# Altium PCB EVB-ANNA-B5x1_Certifi.PcbDoc (part 3 of 6) (continued)
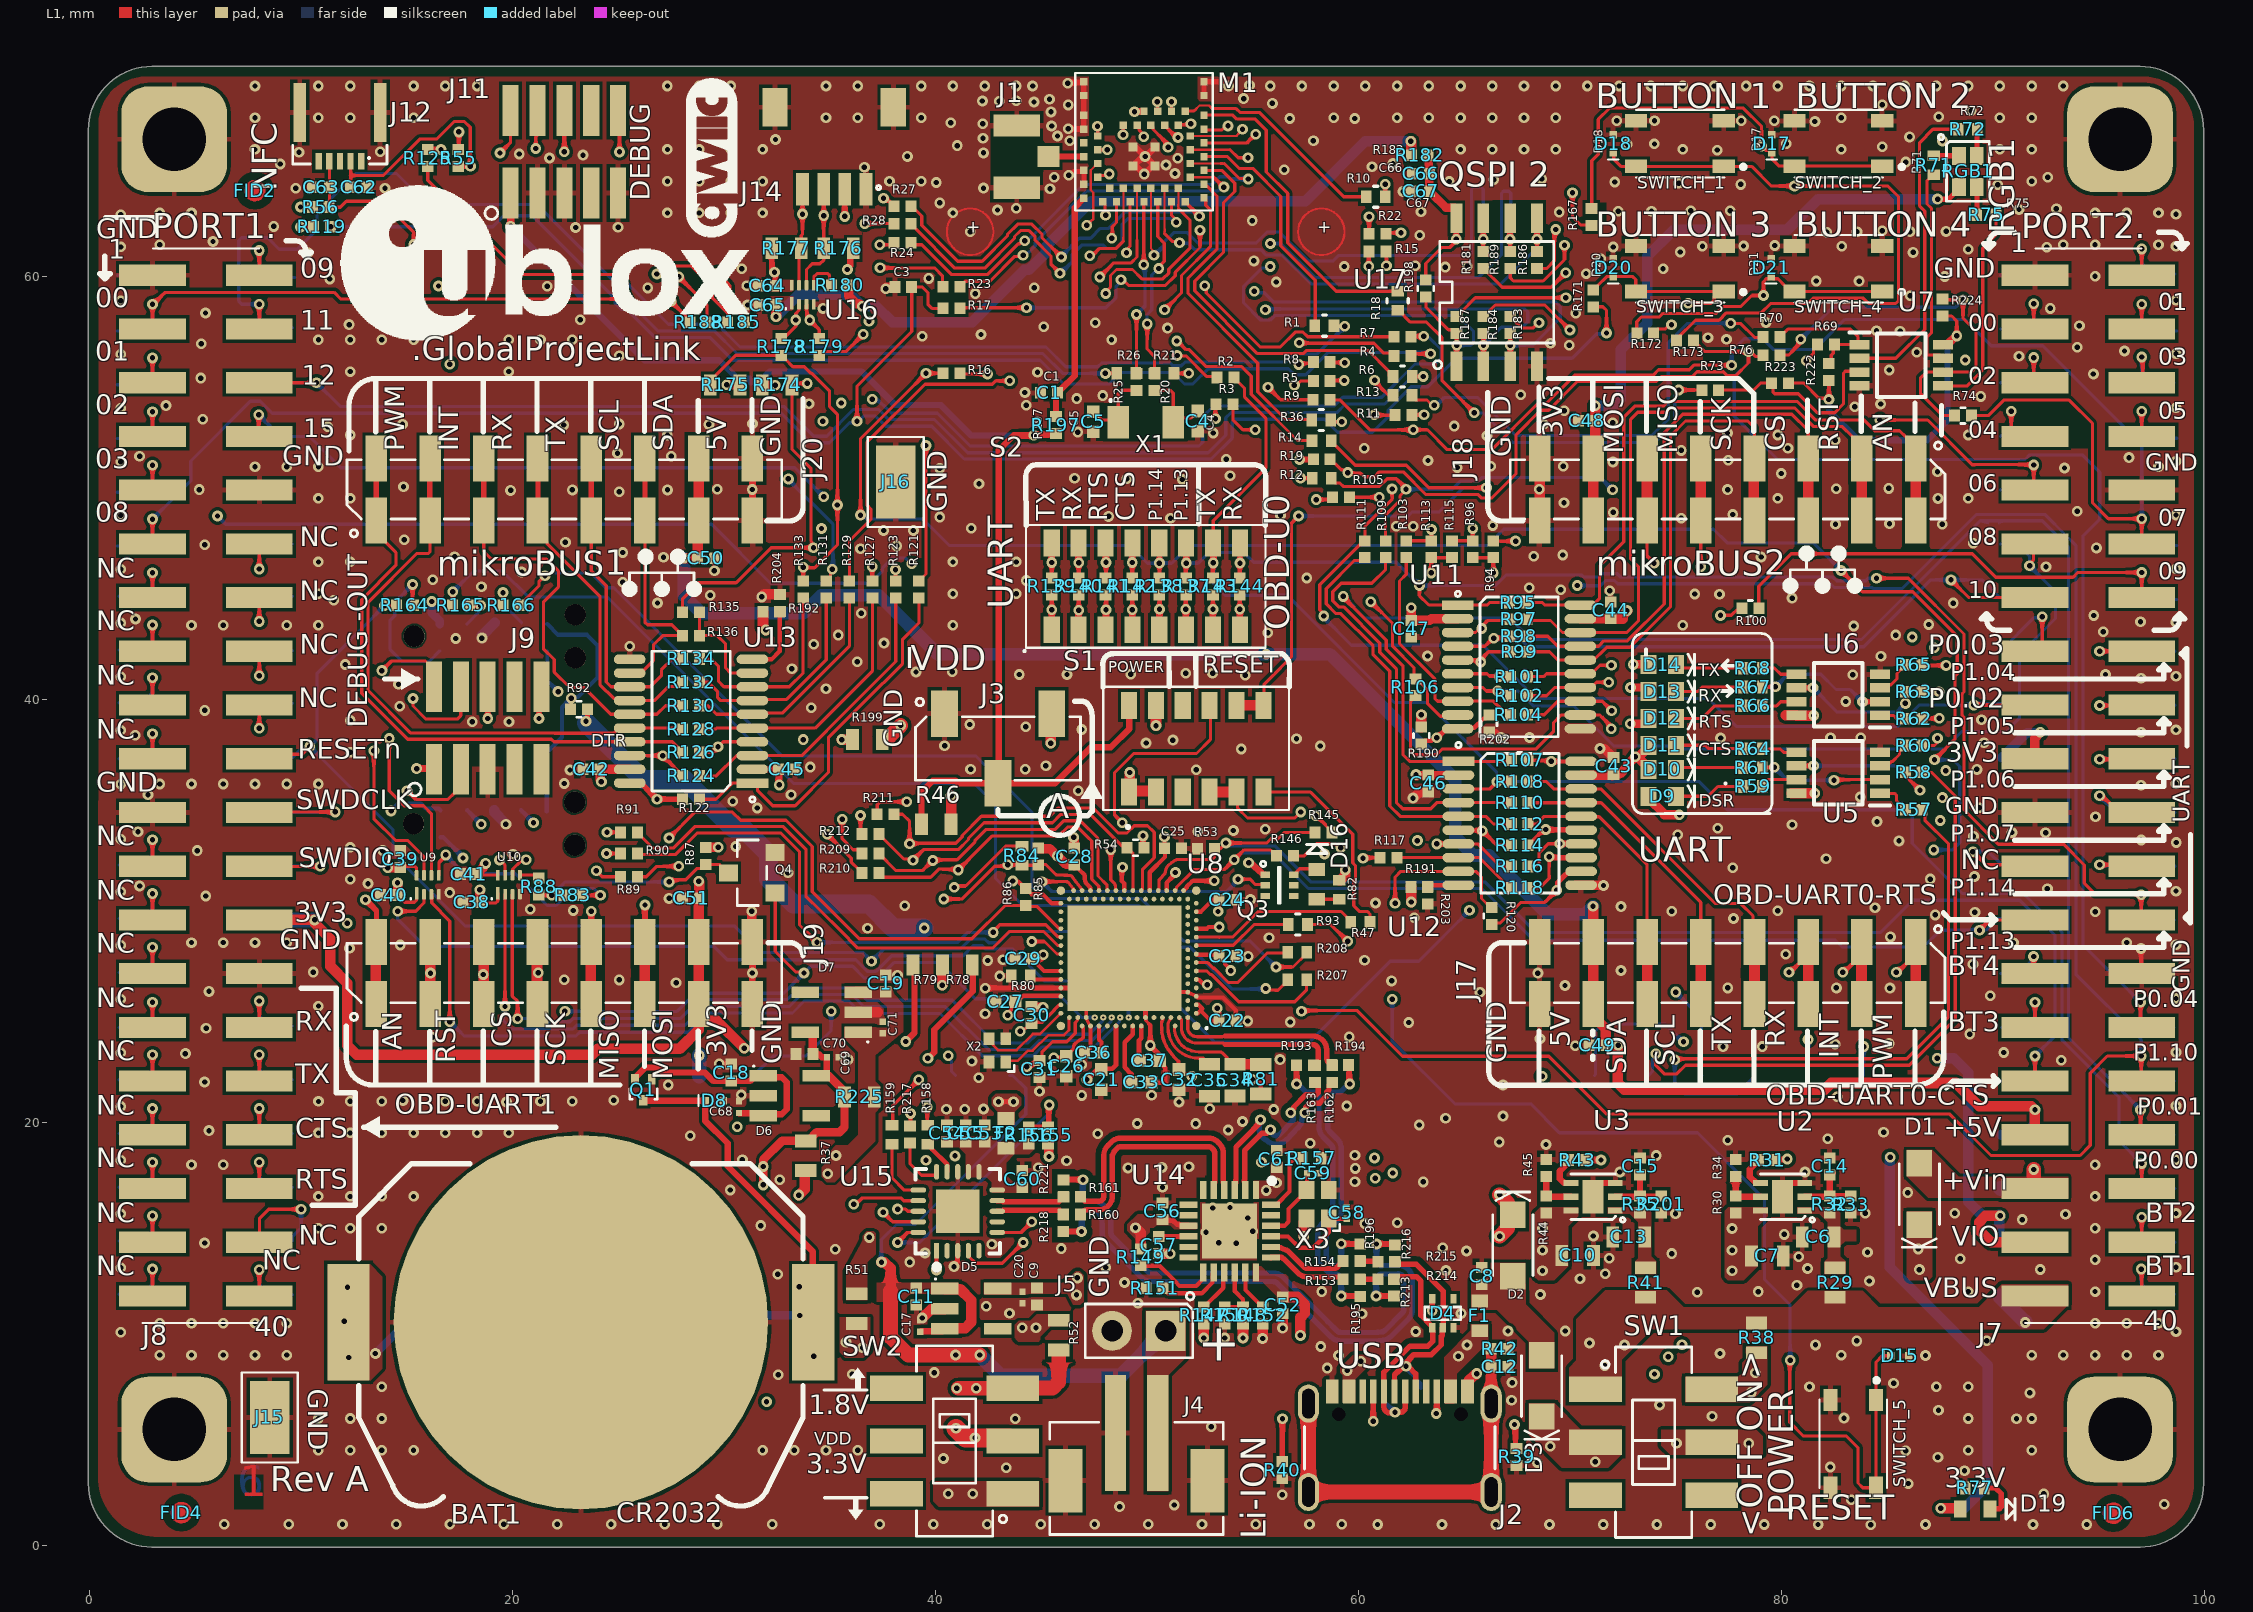
[diagram p0: L1 view]
## Nets (pads, with @x,y where several pads share a name; then routed paths per layer and width w, separated by ;. In a path a pad name is that pad's centre, name@x,y a point inside that pad or via, vN(x,y) a via of type N, cw(c..) or ccw(c..) an arc to the next point about the centre after c; other vN are vias at no path point) (continued)
  other v2: 29.679,1.012 60.894,1.007 63.942,1.007 66.482,1.007 69.022,1.007 71.562,1.007 74.102,1.007 76.642,1.007 79.182,1.007 81.722,1.007 84.206,1 86.802,1.007 91.882,1.007 94.422,1.007 6.367,1.019 9.415,1.019 11.955,1.019 14.495,1.019 17.035,1.019 19.575,1.019 22.115,1.019 24.655,1.019 27.195,1.019 32.275,1.019 37.355,1.019 39.895,1.019 42.435,1.019 44.975,1.019 47.515,1.019 50.055,1.019 52.595,1.019 55.135,1.019 57.675,1.019 59.199,1.019 83.289,2.178 56.389,2.41 85.99,2.941 68.443,3.936 10.818,4.517 12.318,4.517 13.818,4.517 15.318,4.517 31.818,4.517 33.318,4.517 34.818,4.517 36.318,4.517 88.818,4.517 91.818,4.517 10.818,6.017 12.318,6.017 13.818,6.017 88.818,6.017 91.818,6.017 13.818,7.517 81.318,7.517 87.318,7.517 88.818,7.517 3.318,9.017 4.818,9.017 6.318,9.017 7.818,9.017 9.318,9.017 82.818,9.017 91.818,9.017 93.318,9.017 94.818,9.017 96.318,9.017 97.818,9.017 1.47,10.101 98.645,10.126 3.318,10.517 4.818,10.517 6.318,10.517 7.818,10.517 9.318,10.517 94.818,10.517 96.318,10.517 97.818,10.517 88.818,12.017 94.818,12.017 1.47,13.149 98.645,13.174 94.818,13.517 54.215,14.3 53.38,14.327 52.778,14.825 54.988,14.876 10.818,15.017 12.318,15.017 13.818,15.017 94.818,15.017 54.759,15.5 1.47,15.689 98.645,15.714 53.108,15.968 53.921,15.994 10.818,16.517 12.318,16.517 13.818,16.517 15.318,16.517 94.818,16.517 4.818,18.017 6.318,18.017 94.818,18.017 1.47,18.229 98.645,18.254 10.818,19.517 12.318,19.517 13.818,19.517 15.318,19.517 16.818,19.517 18.318,19.517 19.818,19.517 1.47,20.769 98.645,20.794 10.82,21.008 12.318,21.017 13.818,21.017 16.818,21.017 18.318,21.017 21.318,21.017 22.818,21.017 1.47,23.309 98.645,23.334 10.818,25.517 1.47,25.849 98.645,25.874 1.47,28.389 98.645,28.414 4.818,28.517 6.318,28.517 7.818,28.517 9.318,28.517 96.318,28.517 94.82,29.981 79.818,30.017 1.47,30.929 98.645,30.954 12.318,31.517 12.318,33.017 98.65,33.249 1.477,33.413 94.84,34.469 1.47,36.009 3.318,36.017 4.818,36.017 6.318,36.017 7.818,36.017 9.318,36.017 10.818,36.017 98.645,36.034 12.318,37.517 1.47,38.549 98.645,38.574 12.318,39.017 34.818,40.517 1.47,41.089 98.645,41.114 4.818,43.517 6.318,43.517 9.318,43.517 10.818,43.517 40.818,43.517 75.318,43.517 1.47,43.629 98.645,43.654 10.818,45.017 40.818,45.017 43.818,45.017 1.47,46.169 98.645,46.194 10.818,46.517 12.318,46.517 40.818,46.517 43.818,46.517 1.47,48.709 98.645,48.734 10.818,49.517 12.318,49.517 79.818,49.517 88.818,49.517 7.818,51.017 9.318,51.017 10.818,51.017 97.818,51.017 1.47,51.249 98.645,51.274 12.318,52.517 27.318,52.517 79.818,52.517 88.818,52.517 1.47,53.789 98.645,53.814 12.318,55.517 19.818,55.517 1.47,56.329 98.645,56.354 69.071,56.849 10.818,57.017 12.318,57.017 13.818,57.017 15.318,57.017 19.818,57.017 21.318,57.017 22.818,57.017 48.318,57.017 77.391,57.037 76.519,57.125 70.263,58.272 1.47,58.869 98.645,58.894 94.818,60.017 70.752,60.149 74.393,60.374 71.454,60.85 1.47,61.409 72.037,61.404 76.253,61.435 98.645,61.434 78.198,61.452 3.318,61.517 12.318,61.517 13.818,61.517 93.318,61.517 94.818,61.517 97.818,61.517 1.47,62.933 98.645,62.958 3.318,63.017 4.818,63.017 15.318,63.017 27.318,63.017 28.818,63.017 30.318,63.017 31.818,63.017 40.818,63.017 94.818,63.017 96.318,63.017 97.818,63.017 72.269,63.091 73.844,63.096 75.707,63.118 27.318,64.517 28.818,64.517 30.318,64.517 31.818,64.517 37.818,64.517 39.318,64.517 91.818,64.517 76.96,65.989 7.818,66.017 27.318,66.017 28.818,66.017 30.318,66.017 31.818,66.017 64.818,66.017 66.318,66.017 67.818,66.017 69.318,66.017 75.318,66.017 82.818,66.017 90.318,66.017 91.818,66.017 72.699,66.259 73.984,66.279 73.986,67.369 78.088,67.369 7.818,67.517 10.818,67.517 12.318,67.517 15.318,67.517 34.818,67.517 36.318,67.517 39.318,67.517 58.818,67.517 61.818,67.517 63.318,67.517 64.818,67.517 66.318,67.517 67.818,67.517 69.318,67.517 82.818,67.517 90.318,67.517 91.818,67.517 7.818,69.017 10.818,69.017 12.318,69.017 15.318,69.017 16.818,69.017 18.318,69.017 27.318,69.017 28.818,69.017 30.318,69.017 34.818,69.017 36.318,69.017 39.318,69.017 40.818,69.017 42.318,69.017 43.818,69.017 55.818,69.017 57.318,69.017 58.818,69.017 60.318,69.017 61.818,69.017 63.318,69.017 64.818,69.017 66.318,69.017 67.818,69.017 69.318,69.017 70.818,69.017 72.318,69.017 73.818,69.017 75.318,69.017 76.818,69.017 78.318,69.017 79.818,69.017 81.318,69.017 82.818,69.017 84.318,69.017 85.818,69.017 87.318,69.017 88.818,69.017 90.318,69.017 91.818,69.017 93.318,69.017
GREEN: R72.1 U7.2 | length 14.7
  L1 w0.15: U7.2@83.679,56.142 85.399,56.142 86.763,57.506 86.763,63.096 86.52,63.339 86.52,66.34 87.152,66.972 R72.1@88.348,66.972
HUB_n: R153.1 U14.19 | length 3.8
  L1 w0.255: U14.19@55.846,13.626 55.868,13.649 56.27,13.649 cw(c56.27,13.394) 56.449,13.575 57.126,12.898 ccw(c57.591,13.366) 57.591,12.706 59.134,12.706 R153.1@59.267,12.597
HUB_p: R154.1 U14.20 | length 3.9
  L1 w0.255: U14.20@55.846,14.126 55.868,14.104 56.22,14.104 cw(c56.22,13.849) 56.313,14.086 56.512,14.008 cw(c56.27,13.394) 56.735,13.862 57.411,13.186 ccw(c57.591,13.366) 57.591,13.111 58.809,13.111 ccw(c58.807,13.366) 58.902,13.129 cw(c59.007,12.872) 58.915,13.134 ccw(c58.829,13.374) 59.008,13.193 59.267,13.452 R154.1@59.267,13.467
IO_10: M1.10 R2.2 | length 16
  L1 w0.15: M1.10@47.657,66.653 v1@47.657,67.11 ; v1(51.417,56.276) 51.436,56.256 51.837,56.256 52.803,55.29 53.25,55.29 R2.2@53.307,55.233
  L1 w0.25: v1(47.655,67.113) v1@47.657,67.11
  L3 w0.15: v1(47.655,67.113) 47.655,66.215 47.62,66.18 47.62,65.804 47.761,65.664 47.761,65.151 47.713,65.103 47.713,64.654 47.921,64.446 47.921,63.488 47.551,63.118 47.551,62.696 47.656,62.591 47.656,62.264 47.531,62.139 47.531,61.435 48.239,60.728 48.239,59.691 49.215,58.716 49.755,58.716 50.483,57.988 50.483,57.172 51.379,56.276 v1(51.417,56.276)
IO_11: M1.11 R11.1 | length 21.7
  L1 w0.15: M1.11@47.66,66.003 v1(48.11,66.003) ; v1(60.74,53.469) 60.757,53.452 R11.1@61.708,53.452
  L3 w0.15: v1(48.11,66.003) 48.159,65.954 48.159,65.612 48.7,65.071 48.7,63.675 48.864,63.512 48.864,63.128 49.881,62.111 50.338,62.111 51.35,61.099 52.138,61.099 52.854,60.383 53.068,60.383 54.26,59.191 54.26,58.982 54.738,58.504 54.79,58.504 55.764,57.53 55.764,57.473 56.876,56.361 57.373,56.361 57.381,56.353 59.014,56.353 59.094,56.434 59.54,56.434 60.26,55.713 60.26,54.894 60.74,54.414 v1(60.74,53.469)
IO_13: M1.13 R5.2 | length 18.3
  L1 w0.15: M1.13@47.66,64.703 47.76,64.803 47.76,64.79 48.138,64.79 v1(48.207,64.859) ; v1(56.963,54.876) 57.06,54.876 57.254,55.071 R5.2@57.856,55.071
  L3 w0.15: v1(48.207,64.859) 48.239,64.827 48.239,63.405 48.53,63.113 48.53,62.587 48.3,62.357 48.181,62.357 47.84,62.016 47.84,61.623 48.594,60.869 48.594,60.706 49.718,59.582 50.385,59.582 51.317,58.649 51.317,57.955 55.004,54.268 55.895,54.268 56.504,54.876 v1(56.963,54.876)
IO_14: M1.14 R7.2 | length 18.2
  L1 w0.15: M1.14@47.9,63.54 48,63.44 48,63.314 48.006,63.308 48.006,62.925 v1@48.035,62.897 ; v1(52.727,59.579) 52.795,59.51 52.795,59.228 55.344,56.68 56.3,56.68 57,57.38 57.371,57.38 57.588,57.163 R7.2@61.667,57.163
  L4 w0.15: v1@48.035,62.885 48.035,62.818 49.347,61.506 50.626,61.506 50.825,61.307 50.825,60.822 51.053,60.594 51.053,59.811 51.285,59.579 v1(52.727,59.579)
  other v1: 48.035,62.91
IO_15: M1.15 R8.2 | length 14
  L1 w0.15: v1(48.327,61.822) 48.353,61.848 48.353,62.367 48.55,62.564 M1.15@48.55,63.54 ; v1(57.172,55.853) 57.221,55.903 57.816,55.903 R8.2@57.885,55.972
  L3 w0.15: v1(48.327,61.822) 48.526,61.623 50.4,61.623 51.288,60.735 52.043,60.735 52.699,60.078 52.92,60.078 53.939,59.059 53.939,58.821 56.907,55.853 v1(57.172,55.853)
IO_16: M1.16 R9.2 | length 14.9
  L1 w0.1: M1.16@49.188,63.528 M1.16@49.2,63.54
  L1 w0.15: v1(49.025,61.135) 49.093,61.204 49.093,61.345 49.188,61.44 M1.16@49.188,63.528 ; v1(55.715,54.774) 56.307,54.182 R9.2@57.847,54.182
  L3 w0.15: v1(49.025,61.135) 49.025,60.702 49.829,59.898 50.532,59.898 51.643,58.787 51.643,58.071 54.94,54.774 v1(55.715,54.774)
IO_17: M1.17 R25.2 R26.2 | length 8.3
  L1 w0.15: R25.2@49.495,55.429 49.495,58.209 v1(49.498,58.212) ; v1(49.845,60.56) 49.838,60.568 49.838,63.528 M1.17@49.85,63.54
  L6 w0.15: v1(49.498,58.212) 49.902,58.616 49.902,60.504 v1(49.845,60.56)
IO_18: M1.18 R20.2 R21.2 | length 8.7
  L1 w0.15: v1(50,57.769) 50,56.585 50.342,56.243 50.342,55.435 50.344,55.433 R21.2@50.371,55.433 ; M1.18@50.5,63.54 50.5,61.9 50.809,61.591 50.809,60.724 50.547,60.461 v1@50.547,60.392
  L6 w0.15: v1(50,57.769) 50,58.215 50.22,58.435 50.22,60.081 50.53,60.392 v1(50.545,60.392) v1@50.547,60.392
IO_19: M1.19 R28.1 | length 18.4
  L1 w0.15: R28.1@38.843,62.501 39.028,62.316 39.028,62.285 40.903,60.41 42.324,60.41 43.73,61.816 43.73,61.9 44.01,62.18 44.42,62.18 44.704,61.896 44.704,61.726 45.456,60.974 45.456,60.59 v1(45.88,60.166) ; M1.19@51.15,63.54 51.15,62.898 51.378,62.67 v1(51.378,62.573)
  L6 w0.15: v1(45.88,60.166) 45.912,60.166 46.44,60.694 46.44,61.022 46.924,61.506 47.252,61.506 47.907,61.506 48.073,61.341 48.535,61.341 48.82,61.626 48.82,62.487 49.08,62.747 51.107,62.747 51.281,62.573 v1(51.378,62.573)
IO_20: M1.20 R27.1 | length 18.4
  L1 w0.15: R27.1@38.843,63.339 38.876,63.339 39.346,62.869 39.346,62.429 41.045,60.73 42.199,60.73 43.4,61.931 43.4,62.005 43.885,62.49 44.55,62.49 45.029,62.011 45.029,61.849 v1(45.948,60.93) ; M1.20@51.8,63.54 52.471,62.869 v1(52.471,62.86)
  L6 w0.15: v1(45.948,60.93) 45.948,60.972 46.798,61.822 47.33,61.822 47.791,62.284 48.176,62.284 48.949,63.056 52.179,63.056 52.374,62.86 v1(52.471,62.86)
IO_26: M1.26 R3.2 | length 17.5
  L1 w0.1: 51.475,63.229 M1.26@51.475,64.19
  L1 w0.15: v1@48.064,59.207 48.064,59.304 48.267,59.507 48.267,60.056 48.553,60.341 49.306,60.341 49.752,59.896 50.744,59.896 51.021,60.173 ; 51.024,60.173 51.024,60.354 52.02,61.349 52.02,62.684 51.475,63.229 ; v1(53.23,53.284) 53.23,53.982 R3.2@53.233,53.985
  L3 w0.15: v1(48.045,59.207) 49.007,58.245 49.007,57.988 51.482,55.513 51.482,55.236 53.162,53.556 53.162,53.353 v1(53.23,53.284)
IO_27: M1.27 R16.2 | length 18.4
  L1 w0.15: R16.2@41.273,55.406 v1(42.456,55.406) ; v1(50.825,58.434) 51.625,59.234 51.625,60.06 52.99,61.425 52.99,63.162 52.772,63.38 52.772,63.646 M1.27@52.69,63.728
  L4 w0.15: v1(42.456,55.406) 42.456,55.967 45.51,59.021 47.551,59.021 47.872,58.7 48.238,58.7 48.59,59.052 50.503,59.052 50.757,58.798 50.757,58.502 v1(50.825,58.434)
IO_28: M1.28 R36.1 | length 15.1
  L1 w0.15: M1.28@52.69,64.378 52.79,64.278 52.839,64.278 53.299,63.818 53.299,61.296 52.471,60.468 51.932,59.929 51.932,59.214 55.214,55.933 55.23,55.917 55.23,54.565 56.546,53.249 57.746,53.249 R36.1@57.773,53.223
IO_29: M1.29 R6.2 | length 18.7
  L1 w0.15: M1.29@52.69,65.028 53.529,65.028 54.14,64.417 54.14,64.028 53.611,63.499 53.611,61.155 52.247,59.791 52.247,59.365 52.247,59.328 55.21,56.365 56.952,56.365 57.386,56.365 57.54,56.519 60.441,56.519 61.45,55.51 61.45,55.309 R6.2@61.475,55.284
IO_30: M1.30 R1.2 | length 11.2
  L1 w0.15: M1.30@52.69,65.678 52.701,65.689 53.776,65.689 54.341,65.124 54.991,65.124 56.32,63.796 56.32,61.464 57.945,59.839 R1.2@57.945,57.727
IO_31: M1.31 R13.1 | length 18.4
  L1 w0.15: M1.31@52.69,66.328 54.72,66.328 v1(55.134,66.742) ; v1(60.753,55.106) 60.753,55.046 R13.1@61.433,54.366
  L3 w0.15: v1(55.134,66.742) 55.647,66.742 60.12,62.268 60.12,60.851 59.96,60.691 59.96,60.276 60.241,59.994 60.573,59.994 60.97,59.597 60.97,55.323 v1(60.753,55.106)
IO_32: M1.32 R19.1 | length 21.8
  L1 w0.15: M1.32@52.69,66.978 52.727,66.941 53.537,66.941 53.726,67.13 v1(53.823,67.13)
  L1 w0.25: v1(57.206,51.362) 57.825,51.362 R19.1@57.859,51.396
  L4 w0.15: v1(53.823,67.13) 53.823,64.747 54.14,64.43 54.14,63.944 53.781,63.585 53.781,59.481 53.052,58.752 52.681,58.752 52.443,58.514 52.443,57.607 54.502,55.548 54.502,52.632 56.07,51.065 56.895,51.065 57.192,51.362 v1(57.206,51.362)
IO_33: M1.33 R18.2 | length 15.1
  L1 w0.15: M1.33@52.69,67.628 52.702,67.64 54.055,67.64 54.242,67.453 55.11,67.453 55.632,66.931 55.632,64.953 56.645,63.941 56.645,61.601 58.936,59.31 61.843,59.31 R18.2@61.846,59.307
IO_36: M1.36 R23.2 | length 16.3
  L1 w0.1: M1.36@52.04,64.703 53.148,64.703
  L1 w0.15: R23.2@41.146,59.526 41.146,59.541 41.394,59.789 42.571,59.789 43.744,60.962 44.079,60.962 v1(44.136,61.019) ; 53.148,64.703 53.615,64.237 v1(53.63,64.237)
  L6 w0.15: v1(44.136,61.019) 44.233,61.019 44.384,61.17 44.425,61.17 44.714,61.459 44.714,61.621 47.151,64.058 53.355,64.058 53.533,64.237 v1(53.63,64.237)
IO_37: M1.37 R24.2 | length 21.6
  L1 w0.1: M1.37@52.04,65.353 53.653,65.353
  L1 w0.15: R24.2@38.843,61.602 38.936,61.509 39.346,61.509 40.757,60.098 42.448,60.098 43.911,61.561 43.984,61.561 44.119,61.696 v1(44.216,61.696) ; 53.653,65.353 54.36,64.646 54.753,64.646 v1(54.777,64.622)
  L6 w0.15: v1(44.216,61.696) 44.313,61.696 44.472,61.856 44.496,61.856 47.008,64.368 53.072,64.368 53.428,64.725 53.833,64.725 53.935,64.622 v1(54.777,64.622)
IO_40: M1.40 R10.2 | length 10.5
  L1 w0.1: 52.213,67.832 52.484,68.102 52.918,68.102 53.07,67.95
  L1 w0.15: M1.40@51.8,67.815 51.817,67.832 52.213,67.832 ; 53.07,67.95 54.208,67.95 54.388,67.77 55.3,67.77 59.289,63.781 R10.2@60.364,63.781
IO_47: M1.47 R12.1 | length 22.3
  L1 w0.15: M1.47@51.475,67.165 51.503,67.192 52.042,67.192 v1@52.07,67.22 ; v1(57.25,50.478) 57.8,50.478 R12.1@57.807,50.471
  L4 w0.15: v1@52.07,67.22 53.497,65.793 53.497,64.797 53.12,64.42 53.12,64.017 53.454,63.683 53.454,59.602 52.934,59.082 52.502,59.082 52.12,58.7 52.12,57.473 54.202,55.391 54.202,52.489 55.935,50.756 56.939,50.756 57.217,50.478 v1(57.25,50.478)
  other v1: 52.07,67.233
IO_48: M1.48 R4.2 | length 18.2
  L1 w0.15: M1.48@50.825,67.165 50.925,67.065 50.925,67.039 51.287,66.677 51.413,66.677 v1@51.482,66.609 ; v1(57.192,56.881) 57.217,56.856 60.723,56.856 61.189,56.39 61.53,56.39 R4.2@61.667,56.253
  L3 w0.15: v1(51.46,66.585) 51.972,66.585 54.126,64.431 54.126,63.711 54.425,63.412 54.425,60.64 55.552,59.513 55.552,59.172 56.08,58.644 56.08,57.599 56.798,56.881 v1(57.192,56.881)
IO_51: M1.51 R17.2 | length 21.9
  L1 w0.15: R17.2@41.146,58.504 41.172,58.53 v1(44.296,58.53) ; v1@48.778,59.858 48.848,59.858 49.123,59.583 50.863,59.583 51.325,60.045 51.325,60.207 52.5,61.382 v1(52.5,62.193) ; v1(48.864,66.718) 48.869,66.724 48.869,67.159 M1.51@48.875,67.165
  L3 w0.15: v1(48.864,66.718) 48.603,66.458 48.603,65.622 49.025,65.2 49.025,63.87 50.804,62.09 51.769,62.09 51.873,62.193 v1(52.5,62.193)
  L6 w0.15: v1(44.296,58.53) 48.052,58.53 48.535,59.013 48.535,59.547 48.763,59.775 v1(48.763,59.858)
m1-CS: R117.1 R118.2 U12.8 | length 6
  L1 w0.15: R117.1@61.819,32.528 61.819,32.534 U12.8@64.718,32.534 65.713,32.534 66.935,31.312 67.033,31.312 67.218,31.127 R118.2@67.218,31.112
m1-INT: R127.1 R128.2 U13.5 | length 12.8
  L1 w0.15: R128.2@28.836,38.612 29.593,38.612 29.642,38.661 U13.5@31.336,38.661 34.299,38.661 37.018,41.379 R127.1@37.018,44.805
m1-MISO: R121.1 R122.2 U13.1 | length 17.7
  L1 w0.15: R122.2@28.836,35.296 29.616,35.296 30.381,36.061 31.432,36.061 31.582,35.911 31.582,35.698 32.296,34.984 33.355,34.984 34.93,36.559 34.93,38.2 35.542,38.812 35.542,38.815 36.603,39.876 36.606,39.876 38.438,41.708 38.438,42.862 39.206,43.63 R121.1@39.206,44.805
m1-MOSI: R123.1 R124.2 U13.3 | length 14.5
  L1 w0.15: R124.2@28.836,36.401 29.624,36.401 30.583,37.361 U13.3@31.336,37.361 33.666,37.361 34.848,38.542 34.848,38.545 36.479,40.176 36.481,40.176 38.112,41.807 R123.1@38.112,44.805
m1-nRESET: R113.1 R115.1 R116.2 U12.7 | length 19
  L1 w0.15: v1(63.431,45.997) R113.1@63.431,46.714 R115.1@64.411,46.714 ; v1(63.696,33.184) U12.7@64.718,33.184 65.633,33.184 66.701,32.116 R116.2@67.218,32.116
  L3 w0.15: v1(63.431,45.997) 63.431,45.9 64.214,45.118 64.214,37.974 63.813,37.573 63.813,33.495 63.764,33.446 63.764,33.253 v1(63.696,33.184)
m1-PWM: R125.1 R126.2 U13.4 | length 38.4
  L1 w0.15: R126.2@28.836,37.507 29.452,37.507 29.956,38.011 U13.4@31.336,38.011
  L1 w0.25: R125.1@15.987,66.009 15.989,66.012 16.609,66.012 v1(16.612,66.015)
  L3 w0.15: v1(16.498,59.561) 16.518,59.581 16.518,62.735 16.612,62.829 v1(16.612,66.015)
  L4 w0.15: v1(16.498,59.561) 16.516,59.543 16.516,55.317 24.675,47.158 24.675,40.579 27.481,37.773 v1(29.713,37.773)
m1-RX: R129.1 R130.2 U13.6 | length 10.9
  L1 w0.15: R130.2@28.836,39.718 29.23,39.718 29.637,39.311 U13.6@31.336,39.311 31.394,39.368 32.755,39.368 35.924,42.536 R129.1@35.924,44.805
m1-SCK: R119.1 R120.2 U12.9 | length 108.8
  L1 w0.15: v1(61.722,30.375) 61.722,31.621 61.985,31.884 U12.9@64.718,31.884 65.543,31.884 65.807,31.619 65.807,30.603 R120.2@66.302,30.108
  L1 w0.25: v1(9.969,62.35) 9.977,62.358 10.578,62.358 R119.1@10.586,62.367
  L3 w0.15: v1(9.969,62.35) 9.934,62.315 9.934,61.75 7.827,59.643 7.827,59.18 7.546,58.899 7.546,58.869 7.078,58.401 7.078,33.849 11.493,29.434 v1(12.186,29.434)
  L4 w0.15: v1(12.186,29.434) 12.236,29.434 15.55,26.12 26.382,26.12 36.935,36.672 36.935,38.454 38.13,39.65 38.358,39.65 38.588,39.42 57.575,39.42 60.04,36.955 60.04,33.37 61.686,31.723 61.686,30.411 v1(61.722,30.375)
m1-SCL: R133.1 R134.2 U13.8 | length 9.7
  L1 w0.15: R134.2@28.836,41.929 29.399,41.929 29.735,41.593 29.735,40.867 29.991,40.611 U13.8@31.336,40.611 33.08,40.611 33.735,41.266 R133.1@33.735,44.805
m1-SDA: R135.1 R136.2 U13.9 | length 5
  L1 w0.15: R135.1@28.836,44.14 R136.2@28.836,43.034 29.681,43.034 30.067,42.648 30.067,41.515 30.321,41.261 U13.9@31.336,41.261
m1-TX: R131.1 R132.2 U13.7 | length 10.2
  L1 w0.15: R132.2@28.836,40.823 29.253,40.823 29.69,40.386 29.69,40.103 29.832,39.961 U13.7@31.336,39.961 31.394,40.018 32.954,40.018 34.83,41.894 R131.1@34.83,44.805
M1_AN: J19.1 R114.1 U12.15 | length 77.2
  L1 w0.15: R114.1@68.018,33.12 68.018,33.135 68.747,33.864 v1(68.843,33.864)
  L1 w0.25: v1(13.046,30.544) 13.568,30.022 13.568,28.558 J19.1@13.535,28.525 ; v1(68.843,33.864) 68.858,33.849 70.522,33.849 U12.15@70.543,33.828
  L1 w0.5: J19.1@13.535,25.348 J19.1@13.535,28.278
  L4 w0.15: v1(13.046,30.544) 16.607,30.544 18.711,28.44 27.005,28.44 35.05,36.485 35.05,38.287 37.613,40.85 38.855,40.85 39.058,40.647 58.201,40.647 61.277,37.57 61.277,33.869 62.731,32.416 65.702,32.416 66.637,33.351 68.33,33.351 v1(68.843,33.864)
M1_CS: J19.3 R118.1 U12.13 | length 72.7
  L1 w0.15: R118.1@68.018,31.112 68.565,31.112 69.013,31.56 69.013,31.677 69.005,31.685 69.005,32.082 69.013,32.09 v1(69.013,32.572)
  L1 w0.25: v1(18.612,27.01) v1@18.636,27.034 ; J19.3@18.636,25.616 v1@18.636,27.034 ; J19.3@18.636,28.546 v1@18.636,27.034 ; v1(69.013,32.572) 69.051,32.534 U12.13@70.518,32.534
  L1 w0.5: J19.3@18.636,25.569 J19.3@18.636,28.499
  L4 w0.15: v1(18.612,27.01) 19.381,27.779 27.192,27.779 36.335,36.921 36.335,38.703 37.882,40.25 38.606,40.25 38.836,40.02 57.919,40.02 57.939,40 57.999,40 60.677,37.322 60.677,33.605 62.466,31.816 65.996,31.816 66.91,32.73 68.758,32.73 68.916,32.572 v1(69.013,32.572)
M1_INT: J20.2 R128.1 U13.16 | length 29.2
  L1 w0.15: J20.2@16.096,48.476 16.096,47 16.008,46.912 15.466,46.912 13.165,44.611 13.165,40.435 15.166,38.434 21.959,38.434 21.977,38.415 24.774,38.415 25.019,38.661 U13.16@25.536,38.661 R128.1@27.987,38.661
  L1 w0.25: J20.2@16.009,52.191 16.009,51.493 J20.2@16.081,51.421 ; J20.2@16.081,48.552 J20.2@16.081,51.421 ; J20.2@16.081,51.482 J20.2@16.081,51.421 ; J20.2@16.096,51.406 J20.2@16.081,51.421 ; R128.1@27.987,38.661 R128.1@28.036,38.612
M1_MISO: J19.5 R122.1 U13.20 | length 14.9
  L1 w0.25: J19.5@23.716,28.588 v1(23.716,30.002) ; U13.20@25.011,36.061 U13.20@25.536,36.061 26.061,36.061 v1(26.826,35.296) R122.1@28.036,35.296
  L1 w0.5: J19.5@23.695,25.482 J19.5@23.695,28.412
  L3 w0.15: v1(23.716,30.002) 24.784,30.002 25.425,30.643 25.425,33.894 v1(26.826,35.296)
M1_MOSI: J19.6 R124.1 U13.18 | length 15.2
  L1 w0.15: U13.18@25.536,37.361 25.539,37.358 v1(27.095,37.358) 28.036,36.416 R124.1@28.036,36.401
  L1 w0.25: J19.6@26.256,28.546 v1(26.256,30.296)
  L1 w0.5: J19.6@26.256,25.616 J19.6@26.256,28.179
  L3 w0.15: v1(26.256,30.296) 26.256,33.386 27.776,34.906 27.776,36.62 27.095,37.302 v1(27.095,37.358)
M1_PWM: J20.1 R126.1 U13.17 | length 28.7
  L1 w0.15: J20.1@13.556,48.476 13.556,47.891 14.482,46.965 14.482,46.352 12.865,44.735 12.865,40.31 15.042,38.134 21.835,38.134 21.958,38.011 U13.17@25.536,38.011 27.547,38.011 28.036,37.522 R126.1@28.036,37.507
  L1 w0.25: J20.1@13.556,48.476 J20.1@13.556,51.406 13.556,51.454 J20.1@13.556,51.643
M1_RST: J19.2 R116.1 U12.14 | length 75.3
  L1 w0.15: R116.1@68.018,32.116 68.378,32.116 68.529,32.268 68.529,32.642 68.534,32.647 68.534,32.77 68.958,33.194 v1(69.503,33.194)
  L1 w0.25: J19.2@16.096,25.616 v1@16.096,27.097 ; J19.2@16.096,28.546 16.116,28.526 16.116,27.117 v1@16.096,27.097 ; v1(16.116,27.077) v1@16.096,27.097 ; v1(69.503,33.194) 69.508,33.189 70.513,33.189 U12.14@70.518,33.184
  L1 w0.5: J19.2@16.096,25.563 16.096,27.097 J19.2@16.096,28.493
  L4 w0.15: v1(16.116,27.077) 17.15,28.11 27.1,28.11 36.035,37.045 36.035,38.835 37.75,40.55 38.73,40.55 38.96,40.32 58.043,40.32 58.063,40.3 58.123,40.3 60.977,37.446 60.977,33.738 62.599,32.116 65.827,32.116 66.761,33.051 69.263,33.051 69.406,33.194 v1(69.503,33.194)
M1_RX: J20.3 R130.1 U13.15 | length 24.3
  L1 w0.15: R130.1@28.036,39.718 27.229,39.718 26.822,39.311 U13.15@25.536,39.311 24.634,39.311 23.364,40.581 22.69,40.581 21.966,41.305 21.966,41.902 21.454,42.414 21.454,44.617 22.163,45.325 22.163,46.097 21.605,46.654 18.99,46.654 18.636,47.008 J20.3@18.636,48.476 18.636,51.315 J20.3@18.636,51.406 ; J20.3@18.636,51.406 18.636,51.739 J20.3@18.636,51.406
  L1 w0.25: J20.3@18.636,48.476 J20.3@18.636,51.406
M1_SCK: J19.4 R120.1 U12.12 | length 71.7
  L1 w0.15: R120.1@66.297,29.376 66.371,29.45 66.709,29.45 67.677,30.419 68.799,30.419 v1(69.367,30.987)
  L1 w0.25: J19.4@21.176,25.616 v1@21.176,27.123 ; J19.4@21.176,28.546 v1@21.176,27.123 ; v1(21.207,27.092) v1@21.176,27.123 ; v1(69.367,30.987) 69.416,31.036 69.416,31.364 69.786,31.734 69.789,31.734 69.939,31.884 U12.12@70.518,31.884
  L1 w0.5: J19.4@21.151,25.515 J19.4@21.151,28.445
  L4 w0.15: v1(21.207,27.092) 21.594,27.479 27.317,27.479 36.635,36.797 36.635,38.579 38.006,39.95 38.482,39.95 38.712,39.72 57.765,39.72 60.377,37.108 60.377,33.473 62.334,31.516 68.837,31.516 v1(69.367,30.987)
M1_SCL: J20.5 R134.1 U13.13 | length 15.3
  L1 w0.15: J20.5@23.716,48.476 23.716,46.106 24.424,45.398 24.424,40.838 24.651,40.611 U13.13@25.536,40.611 26.511,40.611 27.031,41.13 27.031,41.409 27.551,41.929 R134.1@28.036,41.929
  L1 w0.25: J20.5@23.716,48.476 J20.5@23.716,51.406
M1_SDA: J20.6 R136.1 U13.12 | length 15.9
  L1 w0.15: U13.12@26.061,41.261 26.653,41.852 26.653,42.59 27.097,43.034 R136.1@28.036,43.034 28.036,43.049 27.851,43.234 27.836,43.234 27.524,43.546 26.377,43.546 26.256,43.667 J20.6@26.256,51.406
  L1 w0.25: J20.6@26.256,48.769 J20.6@26.256,51.699
M1_TX: J20.4 R132.1 U13.14 | length 16.6
  L1 w0.15: J20.4@21.163,47.853 21.214,47.853 21.611,47.456 21.611,47.405 24.124,44.892 24.124,40.714 24.776,40.061 24.829,40.061 24.93,39.961 U13.14@25.536,39.961 26.694,39.961 27.357,40.623 27.851,40.623 28.036,40.808 R132.1@28.036,40.823
  L1 w0.25: J20.4@21.151,51.431 J20.4@21.176,51.406 ; J20.4@21.163,47.853 J20.4@21.163,48.497 ; J20.4@21.197,48.497 21.197,51.315 J20.4@21.197,51.406
m2-INT: R105.1 R106.2 U11.9 | length 14.6
  L1 w0.15: R105.1@59.4,49.571 R105.1@59.574,49.571 v1(60.978,49.571) ; v1(60.573,44.637) 61.606,43.604 61.606,42.53 62.619,41.518 62.619,41.058 62.872,40.804 62.925,40.804 63.252,40.478 63.252,39.834 63.865,39.221 64.626,39.221 U11.9@64.683,39.278
  L3 w0.15: v1(60.573,44.637) 60.26,44.95 60.26,48.853 v1(60.978,49.571)
m2-MISO: R100.1 R101.2 U11.6 | length 16.2
  L1 w0.15: U11.6@64.683,41.228 66.065,41.228 66.171,41.123 66.624,41.123 v1(66.65,41.097) 67.179,41.097 R101.2@67.183,41.093 ; v1(77.107,43.987) 77.626,43.987 77.957,44.319 R100.1@78.12,44.319
  L3 w0.15: v1(66.65,41.097) 67.659,40.087 73.207,40.087 v1(77.107,43.987)
m2-nRESET: R94.1 R96.1 R97.2 U11.3 | length 7.3
  L1 w0.15: U11.3@64.683,43.178 65.527,43.178 65.81,43.462 66.094,43.745 R97.2@67.161,43.745 ; R96.1@65.39,46.714 R94.1@66.369,46.714 v1(66.369,45.997)
  L3 w0.15: v1(65.824,43.368) 66.369,43.913 v1(66.369,45.997)
m2-PWM: R103.1 R104.2 U11.8 | length 11.4
  L1 w0.15: R103.1@62.252,46.714 62.252,45.935 61.932,45.615 61.932,42.655 63.603,40.985 63.603,40.06 63.735,39.928 U11.8@64.683,39.928 ; U11.8@64.691,39.936 66.371,39.936 66.813,39.494 66.989,39.494 67.174,39.309 R104.2@67.174,39.294
m2-SCL: R109.1 R110.2 U12.4 | length 20.5
  L1 w0.15: R109.1@61.273,46.714 61.273,46.16 60.62,45.507 59.171,45.507 58.777,45.113 58.777,44.676 59.061,44.391 59.286,44.391 60.998,42.68 60.998,42.242 61.783,41.458 61.783,35.143 62.082,34.843 63.409,34.843 63.71,35.145 U12.4@64.708,35.145 ; U12.4@64.729,35.145 67.202,35.145 R110.2@67.218,35.129
m2-SDA: R111.1 R112.2 U12.5 | length 20.2
  L1 w0.15: R111.1@60.294,46.714 60.17,46.59 59.802,46.59 58.468,45.255 58.468,44.536 58.932,44.072 59.157,44.072 60.684,42.545 60.684,42.13 61.467,41.347 61.467,34.976 61.959,34.484 U12.5@64.718,34.484 66.015,34.484 66.375,34.125 R112.2@67.218,34.125